# Altium PCB Main.PcbDoc (continued)
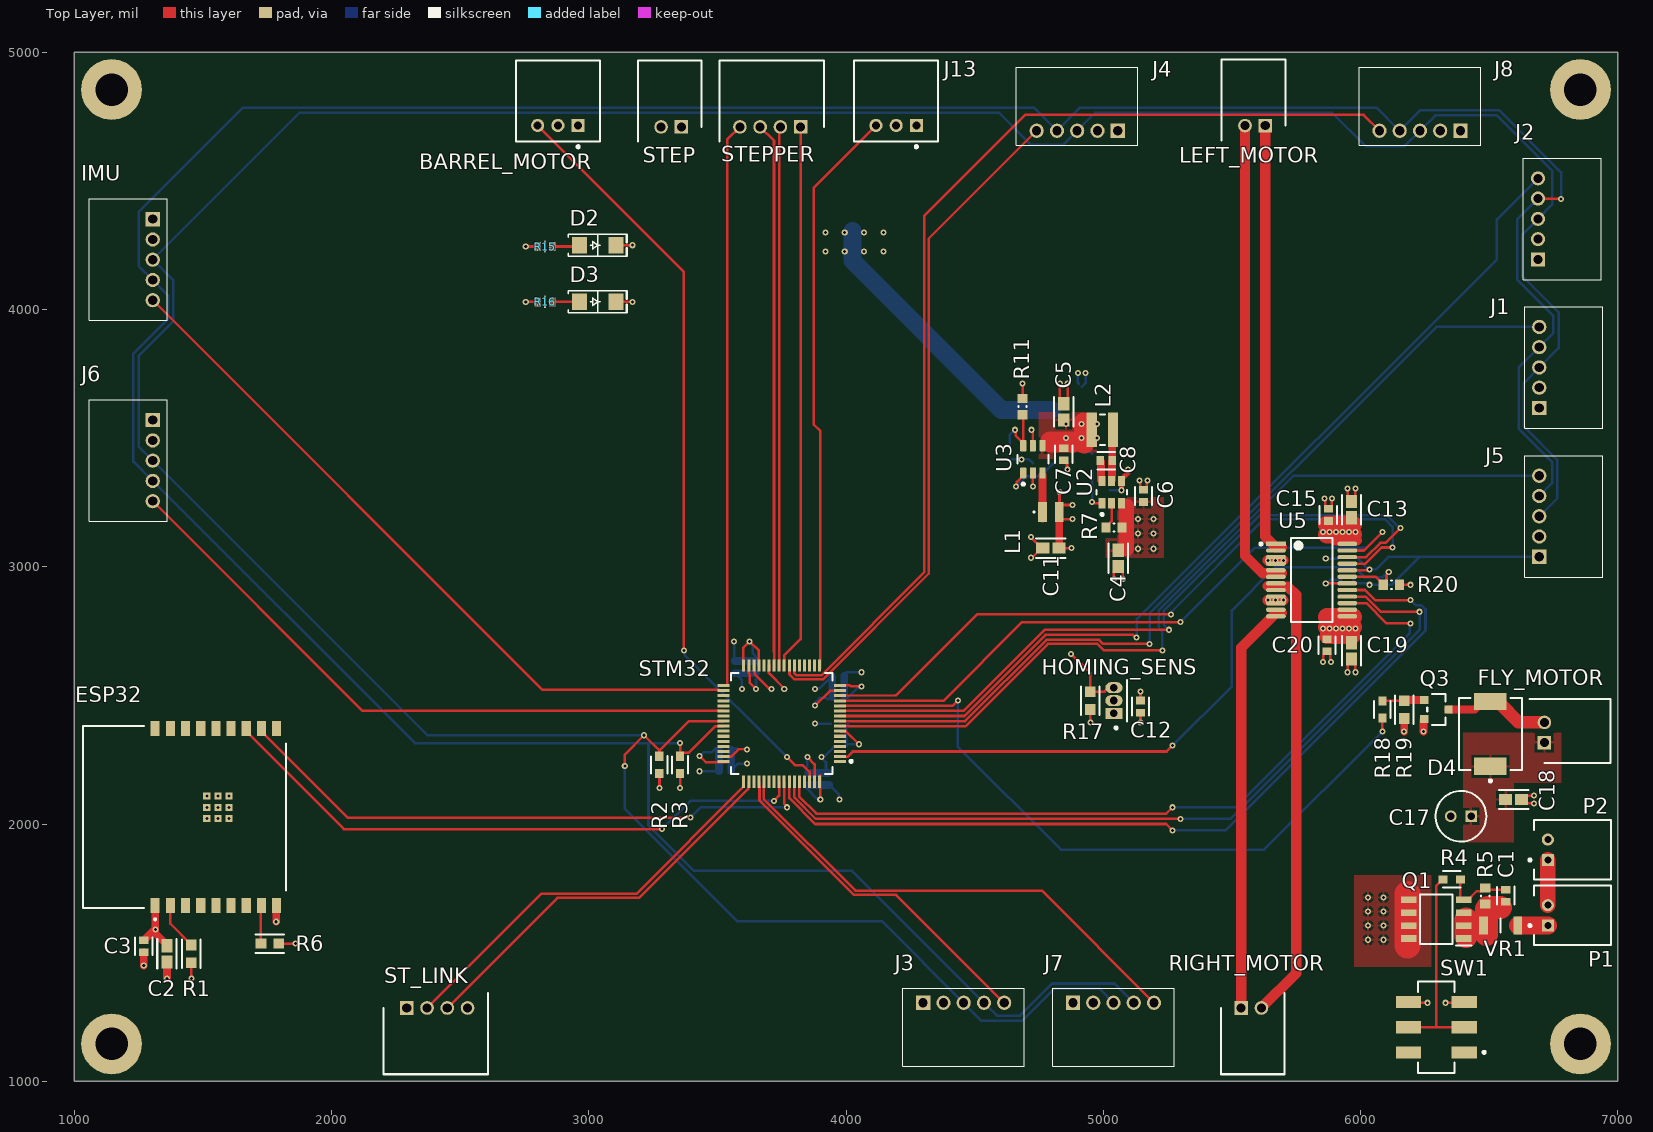
[diagram p0: Top Layer view]
## Footprints (in the part's own frame and the unit in brackets; to place one, negate y for a bottom-side part, rotate by r counter-clockwise, add the part's x,y. Pads: shape width x height; smd on the part's side, far side on the other; paste and mask are expansions set on the pad) (continued)
FP-SMC-MFG [mm]
  rect 1.72x3.2 smd paste+0 mask+0: 1(-3.205,0) 2(3.205,0)
  silkscreen extent -4.75,-3.11 3.56,3.11, body extent -4.17,-3.21 4.17,3.21, height 0.25
FP-SOT23-MFG [mm]
  rect 0.8x0.8 smd paste+0 mask+0: 1(-1.2,0.95) 2(-1.2,-0.95) 3(1.2,0)
  silkscreen extent -0.9,-1.55 0.9,1.55, body extent -1.7,-1.78 1.7,1.78, height 0.25
FP-SSOP24-P-300-0_65A-IPC_A [mm]
  rect 1.954x0.432 smd paste+0 mask+0: 1(-3.525,3.575)
  rrect100% 1.954x0.432 smd paste+0 mask+0: 2(-3.525,2.925) 3(-3.525,2.275) 4(-3.525,1.625) 5(-3.525,0.975) 6(-3.525,0.325) 7(-3.525,-0.325) 8(-3.525,-0.975) 9(-3.525,-1.625) 10(-3.525,-2.275) 11(-3.525,-2.925) 12(-3.525,-3.575) 13(3.525,-3.575) 14(3.525,-2.925) 15(3.525,-2.275) 16(3.525,-1.625) 17(3.525,-0.975) 18(3.525,-0.325) 19(3.525,0.325) 20(3.525,0.975) 21(3.525,1.625) 22(3.525,2.275) 23(3.525,2.925) 24(3.525,3.575)
  silkscreen extent -5.13,-4.15 2.05,4.15, body extent -5,-4.65 5,4.65, height 0.25
FP-TSOT26-MFG [mm]
  rect 1x0.7 smd paste+0 mask+0: 1(-1.1,0.95) 2(-1.1,0) 3(-1.1,-0.95) 4(1.1,-0.95) 5(1.1,0) 6(1.1,0.95)
  silkscreen extent -2.32,-1.5 0.22,1.5, body extent -1.7,-1.6 1.7,1.6, height 0.25
JST-S2B-PH-K-S_V [mm] "THD, 2-Leads, Body 7.6x5.9mm, Pitch 2mm"
  rect 1.2x1.2 hole 0.7: 1(-1,2.45)
  round 1.2 hole 0.7: 2(1,2.45)
  silkscreen extent -2.95,-3.8 2.95,4.35, body extent -2.95,-3.8 2.95,3.8, height 4.8
"LED 1206_3216 YELLOW" [mm] "Chip Diode, 2-Leads, Body 3.13x1.55mm, IPC Medium Density"
  rect 1.5x1.6 smd: 1(-1.8,0) 2(1.8,0)
  silkscreen extent -2.92,-1.1 2.92,1.1, body extent -1.6,-0.8 1.6,0.8, height 0.9
RESC0603(1608)_N [mm] "Chip Resistor, Body 1.6x0.8mm, IPC Medium Density"
  rect 0.9x1 smd: 1(-0.8,0) 2(0.8,0)
  silkscreen extent -0.05,-0.4 0.05,0.4, body extent -0.85,-0.47 0.85,0.47, height 0.6
SHDRRA2W50P0X200_1X2_600X770X525P [mm]
  rect 1.35x1.35 hole 0.9: 1(0,0)
  round 1.35 hole 0.9: 2(-2,0)
  silkscreen extent -4.3,-1.45 2,6.55, body extent -4.01,-1.65 1.99,6.05, height 4.83
SHDRRA4W50P15X200_1X4_1000X770X525P [mm]
  rect 1.35x1.35 hole 0.9: 1(0,0)
  round 1.35 hole 0.9: 2(-2,0) 3(-4,0) 4(-6,0)
  silkscreen extent -8,-1.45 2.3,6.55, body extent -7.97,-1.3 2.03,6.4, height 4.95
SOIC127P600X175-8N [mm]
  rect 1.525x0.65 smd: 1(-2.712,1.905) 2(-2.712,0.635) 3(-2.712,-0.635) 4(-2.712,-1.905) 5(2.712,-1.905) 6(2.712,-0.635) 7(2.712,0.635) 8(2.712,1.905)
  silkscreen extent -3.47,-2.45 1.6,2.58, body extent -3,-2.45 3,2.45, height 1.75
THRMC3216X110N [mm]
  rect 0.85x1.8 smd: 1(-1.7,0) 2(1.7,0)
  silkscreen extent 0,-0.7 0,0.7, body extent -1.63,-0.8 1.63,0.8, height 1.1
VLS2520 [mm]
  rect 0.85x2 smd: 1(-0.825,0) 2(0.825,0)
  silkscreen extent -1.72,-0.05 -1.63,0.05, body extent -1.25,-1 1.25,1, height 1
VLS3012 [mm]
  rect 1x3.4 smd: 1(-1.05,0) 2(1.05,0)
  silkscreen extent -0.25,-1.5 0.25,1.5, body extent -1.5,-1.51 1.5,1.51, height 1.2

## Part data
BARREL_MOTOR J13: library part CMP-03369-000061-1, "CONN HEADER R/A 3POS 2MM", Current Rating=3A, Manufacturer="TE Connectivity", Temperature="-25°C to +85°C", Temperature Range High=+85°C, Temperature Range Low=-25°C, Voltage Rating=250V, Automotive=No, Category=Conn, ComponentLink2Description=Datasheet, ComponentLink2URL=https://www.te.com/usa-en/product-440055-3.datasheet.pdf, Conn Gender=Male, Conn Orientation="Right Angle", Contact Material=Tin, Device Class L1=Connectors, Device Class L2="Headers and Wire Housings", Device Class L3=unset, Digikey Description="CONN HEADER R/A 3POS 2MM", Footprint Url=https://www.te.com/commerce/DocumentDelivery/DDEController?Action=showdoc&DocId=Customer+Drawing%7F440055%7FB4%7Fpdf%7FEnglish%7FENG_CD_440055_B4.pdf%7F440055-3, Height=5.25mm, Lead Free=Yes, Manufacturer Part Number=440055-3, Mouser Description="Headers & Wire Housings 3 POS HDR R/A 2.0mm", Number Of Contacts=3, Number Of Rows=1, Octopart=https://octopart.com/440055-3-te+connectivity-40644627, Package=440055-3, Pitch=2mm, RoHS=TRUE
C1 C3 C6 C7 C8 C9 C12 C14 C15 C20 C21 C22 C23 C26: library part CMP-2006-03630-2, Capacitance="100 pF", Manufacturer=KEMET, Manufacturer Part Number=C0603C101F1GACTU, Package=C0603C-CF, Temperature="-55°C to +125°C", Temperature Characteristic=C0G, Temperature Coefficient=30ppm/°C, Temperature Range High=+125°C, Temperature Range Low=-55°C, Tolerance=0.01, Voltage Rating="100 V", Automotive=Yes, Automotive Grade="Grade 1", Category=Cap, ComponentLink2Description=Datasheet, ComponentLink2URL=https://api.kemet.com/component-edge/download/datasheet/C0603C100J5GACAUTO.pdf, Device Class L1="Passive Components", Device Class L2=Capacitors, Device Class L3="Ceramic Capacitors", Digikey Description="CAP CER 100PF 100V 1% NP0 0603", Height=0.87mm, Lead Free=Yes, Material=Ceramic, Mouser Description="Multilayer Ceramic Capacitors MLCC - SMD/SMT 100volts 100pF C0G 1%", Octopart=https://octopart.com/c0603c101f1gactu-kemet-9143865, RoHS=TRUE
C2 C4 C5 C13 C16 C18 C19 C24 C25 C27 C28: library part CMP-2006-02814-2, "Chip Multilayer Ceramic Capacitors for General Purpose, 0603, 10uF, X5R, 15%, 20%, 16V", Case Code (Imperial)=0603, Case Code (Metric)=1608, Dielectric=X5R, Max Operating Temperature=85°C, Min Operating Temperature=-55°C, Package Quantity=4000, Tolerance=20%, Voltage=16V, Capacitance=10uF, Case/Package=0603, Depth=0.8mm, Height=0.8mm, Lead Free="Lead Free", Length=1.6mm, Mount="Surface Mount", Packaging="Tape and Reel", REACH SVHC="No SVHC", Thickness=0.031inch, Voltage Rating=16V, Voltage Rating (DC)=16V, Width=0.031inch
C10 C11: library part CMP-06035-063651-1, "Multilayer Ceramic Capacitor 22uF 20% 16V X5R 0603 Paper T/R"
C17: library part EEU-FR1C101, "Capacitor Polarised", Manufacturer_Name=Panasonic, Mouser Part Number=667-EEU-FR1C101, Arrow Part Number=EEU-FR1C101, Arrow Price/Stock=https://www.arrow.com/en/products/eeu-fr1c101/panasonic?region=europe, Datasheet Link=http://industrial.panasonic.com/cdbs/www-data/pdf/RDF0000/ABA0000C1259.pdf, Height=12.5mm, Manufacturer_Part_Number=EEU-FR1C101, Mouser Price/Stock=https://www.mouser.co.uk/ProductDetail/Panasonic/EEU-FR1C101?qs=ob%252BdNz2%252BYEhUA1aQKNasqg%3D%3D
D2 D3: library part 25-21UYC/S530-A2/TR8, "LED YELLOW CLEAR 2SMD", Current - Test=20mA, Device Package="1206 (3216 Metric)", Lens Color=Colorless, Manufacturer="Everlight Electronics Co Ltd", Millicandela Rating=45mcd, Supplier Device Package=2-SMD, Supplier Part Number 1=1080-1595-1-ND, Voltage - Forward (Vf) (Typ)=2V, Color=Yellow, ComponentLink1Description=Datasheet, ComponentLink1URL=//media.digikey.com/pdf/Data%20Sheets/Everlight%20PDFs/25-21UYC-S530-A2-TR8_V6_11-12-18.pdf, ComponentLink2Description="DigiKey Link", ComponentLink2URL=https://www.digikey.com/en/products/detail/everlight-electronics-co-ltd/25-21UYC-S530-A2-TR8/8535289, Configuration=Standard, Height (Max)=1.20mm, LastUpdated="6/3/2024 8:01:38 PM", Lens Size="1.10mm Dia", Lens Style="Round with Domed Top", Lens Transparency=Clear, Lifecycle Status=Active, Minimum Order=1, Mounting Type="Surface Mount", Package / Case="1206 (3216 Metric)", Packaging=TapeAndReel, Part Number=25-21UYC/S530-A2/TR8, Part Status=Active, PartId=2, Price=0.08, Series=-, Size / Dimension="3.20mm L x 1.60mm W", Supplier 1=DigiKey, Viewing Angle=60°, Wavelength - Dominant=589nm, Wavelength - Peak=591nm
D4: library part CMP-02539-000066-1, "DIODE SCHOTTKY 40V 3A DO214AB", Average Rectified Current=3A, Case/Package=SMC, Forward Voltage=500mV, Max Operating Temperature=125°C, Max Repetitive Reverse Voltage (Vrrm)=40V, Max Reverse Current=500uA, Max Surge Current=100A, Min Operating Temperature=-55°C, Package Quantity=3500, Element Configuration=Single, Forward Current=3A, Max Reverse Leakage Current=500uA, Max Reverse Voltage (DC)=40V, Mount="Surface Mount", Number of Pins=2, Packaging="Tape and Reel", Peak Non-Repetitive Surge Current=100A, Radiation Hardening=No, RoHS Compliant=Yes, Series=-
ESP32: "Integrated Circuit", Manufacturer_Name="Espressif Systems", Mouser Part Number=356-ESP32C3WROOM02N4, Datasheet Link=https://www.mouser.ch/datasheet/2/891/Espressif_ESP32_C3_WROOM_02-2006871.pdf, Height=3.35mm, Manufacturer_Part_Number=ESP32-C3-WROOM-02-N4, Mouser Price/Stock=https://www.mouser.co.uk/ProductDetail/Espressif-Systems/ESP32-C3-WROOM-02-N4?qs=stqOd1AaK7%2FqjTZKEOgfUg%3D%3D
FLY_MOTOR LEFT_MOTOR RIGHT_MOTOR STEP: "Connector", Manufacturer_Name="TE Connectivity", Mouser Part Number=571-440055-2, Arrow Part Number=440055-2, Arrow Price/Stock=https://www.arrow.com/en/products/440055-2/te-connectivity?utm_currency=USD&region=nac, Datasheet Link=https://www.te.com/commerce/DocumentDelivery/DDEController?Action=srchrtrv&DocNm=1-1773713-2_HPI_QRG_EN&DocType=Data%20Sheet&DocLang=English&PartCntxt=440055-2&DocFormat=pdf, Height=5.25mm, Manufacturer_Part_Number=440055-2, Mouser Price/Stock=https://www.mouser.co.uk/ProductDetail/TE-Connectivity/440055-2?qs=DE9Qji9blsSmCkgS7fKI6w%3D%3D
HOMING_SENS: library part CMP-04937-000007-1, "LP HALL 32 LPG"
IMU J1 J2 J3 J4 J5 J6 J7 J8: "Connector", Manufacturer_Name="TE Connectivity", Mouser Part Number=571-440055-5, Arrow Part Number=440055-5, Arrow Price/Stock=https://www.arrow.com/en/products/440055-5/te-connectivity?region=nac, Datasheet Link=https://www.te.com/commerce/DocumentDelivery/DDEController?Action=srchrtrv&DocNm=1-1773713-2_HPI_QRG_EN&DocType=Data%20Sheet&DocLang=English&PartCntxt=440055-5&DocFormat=pdf, Height=5.25mm, Manufacturer_Part_Number=440055-5, Mouser Price/Stock=https://www.mouser.co.uk/ProductDetail/TE-Connectivity/440055-5?qs=DE9Qji9blsSCZ1TIZpnBjw%3D%3D
L1: library part VLS252010HBX-2R2M-1, "Inductor", Manufacturer_Name=TDK, Mouser Part Number=810-VLS25201HBX2R2M1, Arrow Part Number=VLS252010HBX-2R2M-1, Arrow Price/Stock=https://www.arrow.com/en/products/vls252010hbx-2r2m-1/tdk?region=europe, Datasheet Link=https://product.tdk.com/system/files/dam/doc/product/inductor/inductor/smd/catalog/inductor_commercial_power_vls252010hbx-1_en.pdf, Manufacturer_Part_Number=VLS252010HBX-2R2M-1, Mouser Price/Stock=https://www.mouser.co.uk/ProductDetail/TDK/VLS252010HBX-2R2M-1?qs=uwKJARvjadMU3dC%2Ft0aiHA%3D%3D
L2: library part VLS3012CX-100M-1, "Inductor", Manufacturer_Name=TDK, Mouser Part Number=810-VLS3012CX-100M-1, Arrow Part Number=VLS3012CX-100M-1, Arrow Price/Stock=https://www.arrow.com/en/products/vls3012cx-100m-1/tdk?utm_currency=USD&region=europe, Datasheet Link=https://product.tdk.com/system/files/dam/doc/product/inductor/inductor/smd/catalog/inductor_commercial_power_vls3012cx-1_en.pdf, Manufacturer_Part_Number=VLS3012CX-100M-1, Mouser Price/Stock=https://www.mouser.co.uk/ProductDetail/TDK/VLS3012CX-100M-1?qs=1mbolxNpo8ceNo1aeERl9w%3D%3D
P1 P2: library part CMP-1755-00004-1, "Male Header, Pitch 2 mm, 1 x 2 Position, Height 4.8 mm, Tail Length 3.4 mm, -25 to 85 degC, RoHS, Bulk", Capacitance="10 uF", Case\Package=Radial, Max Operating Temperature="85 degC", Min Operating Temperature="-40 degC", Package Quantity=200, Tolerance=20%, Voltage Rating="50 V", ComponentLink1Description=Datasheet, ComponentLink1URL=http://www.jst-mfg.com/product/pdf/eng/ePH.pdf, DatasheetVersion=Dec-12, Diameter="5 mm", Height="11 mm", Lead Pitch="2 mm", Length="11 mm", Mount="Through Hole", PackageDescription="Male Header, Pitch 2 mm, 1 x 2 Position, Height 4.8 mm, Tail Length 3.4 mm", PackageReference=S2B-PH-K-S, Packaging=Bulk, Pins=2, Radiation Hardening=No, REACH SVHC="No SVHC", RoHSCompliant=true, Voltage Rating (DC)="50 V"
Q1: "MOSFET (P-Channel)", Manufacturer_Name="ROHM Semiconductor", Mouser Part Number=N/A, Datasheet Link=https://fscdn.rohm.com/en/products/databook/datasheet/discrete/transistor/mosfet/rs3e075attb1-e.pdf, Height=1.75mm, Manufacturer_Part_Number=RS3E075AT, Mouser Price/Stock=https://www.mouser.co.uk/ProductDetail/ROHM-Semiconductor/RS3E075AT?qs=W0yvOO0ixfG3uBr1%252BCakYg%3D%3D
Q3: library part CMP-83955-000006-1, "MOSFET N-CH 30V 5.7A SOT23", Case/Package=SOT-23, Continuous Drain Current (ID)=5.7A, Drain to Source Voltage (Vdss)=30V, Gate to Source Voltage (Vgs)=12V, Input Capacitance=630pF, Max Operating Temperature=150°C, Max Power Dissipation=1.4W, Min Operating Temperature=-55°C, Lead Free="Lead Free", Mount="Surface Mount", Number of Elements=1, Number of Pins=3, Packaging="Tape and Reel", Power Dissipation=1.4W, Radiation Hardening=No, Rds On Max=26.5mR
R1 R6 R9 R14 R17 R19: library part CMP-03412-040683-1, "RES 10kΩ 5.00% 0.2W 0603"
R2 R3: library part CMP-03412-006219-1, "RT0603 2.2KΩ 0.1W 25 ppm/°C 0.50%", Manufacturer=Yageo, Manufacturer Part Number=RT0603DRD132K2L, Package=RT0603, Power Rating=0.1W, Resistance=2.2KΩ, Temperature="-55°C to +155°C", Temperature Coefficient="25 ppm/°C", Temperature Range High=+155°C, Temperature Range Low=-55°C, Tolerance=0.005, Voltage Rating=75V, Automotive=No, Category=Res, ComponentLink2Description=Datasheet, ComponentLink2URL=http://www.yageo.com/documents/recent/PYu-RT_1-to-0.01_RoHS_L_9.pdf, Composition="Thin Film", Device Class L1="Passive Components", Device Class L2=Resistors, Device Class L3="Chip SMD Resistors", Footprint Url=http://www.yageo.com/exep/pages/download/literatures/PYu-R_Mount_10.pdf, Height=0.55mm, Ipc Land Pattern Name=RESC16080X45, Lead Free=Yes, Octopart=https://octopart.com/rt0603drd132k2l-yageo-91016345, RoHS=TRUE, Series=RT
R4 R18: library part CMP-03412-013198-1, "RT0603 100Ω 0.1W 50 ppm/°C 1.00%", Manufacturer=Yageo, Manufacturer Part Number=RT0603FRE13100RL, Package=RT0603, Power Rating=0.1W, Resistance=100Ω, Temperature="-55°C to +155°C", Temperature Coefficient="50 ppm/°C", Temperature Range High=+155°C, Temperature Range Low=-55°C, Tolerance=0.01, Voltage Rating=75V, Automotive=No, Category=Res, ComponentLink2Description=Datasheet, ComponentLink2URL=http://www.yageo.com/documents/recent/PYu-RT_1-to-0.01_RoHS_L_9.pdf, Composition="Thin Film", Device Class L1="Passive Components", Device Class L2=Resistors, Device Class L3="Chip SMD Resistors", Footprint Url=http://www.yageo.com/exep/pages/download/literatures/PYu-R_Mount_10.pdf, Height=0.55mm, Ipc Land Pattern Name=RESC16080X45, Lead Free=Yes, Mouser Description="Thin Film Resistors - SMD 1/10W 100 ohm 1% 50ppm", Octopart=https://octopart.com/rt0603fre13100rl-yageo-30512362, RoHS=TRUE, Series=RT
R5 R7 R8 R11 R12 R20: library part CMP-1012-00736-1, "100K 0.1W 1% 0603 (1608 Metric)  SMD", Case-EIA=0603, Case-Metric=1608, Power="0.1 W", Tolerance="1 %", Technology=SMT
R10: library part CMP-03412-034985-2, "RES 19.1KΩ 1.00% 0.1W 0603", Case Code (Imperial)=0603, Case Code (Metric)=1608, Max Operating Temperature=155°C, Max Power Dissipation=100mW, Min Operating Temperature=-55°C, Resistance=19.1kR, Resistor Type="Thick Film", Temperature Coefficient=100ppm/°C, Tolerance=1%, Voltage Rating=50V, Case/Package=0603, Features="Moisture Resistant", Height=0.022inch, Length=0.063inch, Number of Terminations=2, Packaging="Tape and Reel", Power Rating=100mW, Series=AC, Termination=SMD/SMT, Width=0.8mm
R13: library part CMP-02407-003985-1, "RES SMD 100 OHM 1% 1/8W 0603", Case/Package=0603, Max Operating Temperature=125°C, Min Operating Temperature=-55°C, Resistance=453kR, Tolerance=1%, Composition="Thin Film", Depth=0.85mm, Lead Free="Lead Free", Length=1.55mm, Military Standard=Not, Packaging="Tape and Reel"
R15 R16: library part CMP-00287-55412082-1, "ERA3ARW102V Res Thin Film 0603 1K Ohm 0.05% 0.1W ±10ppm/°C Molded SMD Punched Carrier T/R", Case Code (Imperial)=0603, Case Code (Metric)=1608, Max Operating Temperature=155°C, Max Power Dissipation=100mW, Min Operating Temperature=-55°C, Resistance=1kΩ, Temperature Coefficient=10ppm/°C, Tolerance=0.05%, Voltage Rating=150V, Voltage Rating (DC)=75V, Case/Package=0603, Composition="Metal Film, Thin Film", Contact Plating=Tin, Depth=800µm, Height=450µm, Lead Free="Lead Free", Length=1.6mm, Lifecycle Status=Production, Military Standard=Not, Mount="Surface Mount", NexarPartId=55412082, Number of Pins=2, Number of Terminations=2, Packaging="Cut Tape", Power Rating=100mW, Radiation Hardening=No, REACH SVHC="No SVHC", RoHS=Compliant, Schedule B="8533210045, 8533210045", Width=787.4µm
ST_LINK STEPPER: "Connector", Manufacturer_Name="TE Connectivity", Mouser Part Number=571-440055-4, Arrow Part Number=440055-4, Arrow Price/Stock=https://www.arrow.com/en/products/440055-4/te-connectivity?utm_currency=USD&region=nac, Datasheet Link=https://www.te.com/commerce/DocumentDelivery/DDEController?Action=srchrtrv&DocNm=1-1773713-2_HPI_QRG_EN&DocType=Data%20Sheet&DocLang=English&PartCntxt=440055-4&DocFormat=pdf, Height=5.25mm, Manufacturer_Part_Number=440055-4, Mouser Price/Stock=https://www.mouser.co.uk/ProductDetail/TE-Connectivity/440055-4?qs=DE9Qji9blsTeqx7CwQ1BPA%3D%3D
STM32: library part CMP-12105-000051-1, "MAINSTREAM ARM CORTEX-M4 CORE WI", Ambient Temperature Range High=+85°C, Ambient Temperature Range Low=-40°C, Frequency=170MHz, Manufacturer=STMicroelectronics, Max Junction Temp=+105°C, Max Supply Voltage=3.6V, Min Supply Voltage=1.71V, Package=LQFP64-5W, Temperature="-40°C to +105°C", Automotive=No, Category=IC, ComponentLink2Description=Datasheet, ComponentLink2URL=https://www.st.com/resource/en/datasheet/stm32g474cb.pdf, Core Architecture="ARM Cortex-M4", Data Bus Width=32bits, Device Class L1="Integrated Circuits (ICs)", Device Class L2="Embedded Processors and Controllers", Device Class L3=Microcontrollers, Digikey Description="MAINSTREAM ARM CORTEX-M4 CORE WI", Height=1.6mm, Interface=I2C,SPI,UART,USART,CAN,USB,LIN,IrDA,I2S,SMBus,Other, Lead Free=Yes, Manufacturer Part Number=STM32G474RET6, Memory Size=512KBytes, Memory Type=FLASH, Mouser Description="Microcontroller 32-Bit ARM Cortex-M4 RISC 512KB Flash 1.71V to 3.6V 64-Pin LQFP", Number Of A/D Converters=5, Number Of Adc Channels=26, Number Of Cores=1, Number Of I2C Channels=4, Number Of I/Os=52, Number Of Pwm Channels=32, Number Of Spi Channels=3, Number Of Timers/Counters=14, Number Of Uart Channels=6, Number Of Usb Channels=1, Octopart=https://octopart.com/stm32g474ret6-stmicroelectronics-102308483, Ram Size=128KBytes, RoHS=TRUE, Standoff Height=0.05mm, Temperature Range High=+105°C, Temperature Range Low=-40°C
SW1: library part CMP-2000-05087-3, "SWITCH SLIDE DPDT 300MA 6V", Actuator Color=Black, Contact Current Rating=300mA, Contact Resistance=70mR, Flammability Rating="UL94 V-2", Max Operating Temperature=85°C, Max Voltage Rating (DC)=6V, Min Operating Temperature=-20°C, Package Quantity=1, Actuator Length=2mm, Actuator Material=Nylon, Actuator Type=Standard, Contact Material="Copper Alloy", Contact Plating=Silver, Current Rating=300mA, Depth=7.5mm, Electrical Life=5000Cycles, Housing Material=Nylon, Lead Free="Lead Free", Length=9mm, Max Current Rating=300mA, Mount="Surface Mount", Orientation=Vertical, Packaging="Tape and Reel", Radiation Hardening=No, REACH SVHC="No SVHC", Series=JS, Switch Function=On-On, Switch Travel=2mm, Termination="Gull Wing", Throw Configuration=DPDT, Voltage Rating (DC)=6V
U2: library part CMP-12757-000010-1, "IC REG BUCK ADJUSTABLE 2A TSOT26", Ambient Temperature Range High=+85°C, Ambient Temperature Range Low=-40°C, Manufacturer="Diodes Inc.", Max Junction Temp=+160°C, Max Supply Voltage=32V, Min Supply Voltage=3.8V, Nominal Supply Current=22uA, Output Current=2A, Package=TSOT26, Switching Frequency=500kHz, Temperature="-40°C to +85°C", Automotive=No, Category=IC, ComponentLink2Description=Datasheet, ComponentLink2URL=https://www.diodes.com/assets/Datasheets/AP63200-AP63201-AP63203-AP63205.pdf, Device Class L1="Integrated Circuits (ICs)", Device Class L2="Power Management ICs", Device Class L3="Voltage Regulators - Switching", Digikey Description="IC REG BUCK ADJUSTABLE 2A TSOT26", Footprint Url=https://www.diodes.com/assets/Package-Files/TSOT26.pdf, Height=1mm, Ipc Land Pattern Name=SOT95P280X100-6, Lead Free=Yes, Manufacturer Part Number=AP63200WU-7, Mouser Description="AP63200 Series 1.2 V 2 A Adjustable Synchronous Buck Converter - TSOT-26", Number Of Outputs=1, Octopart=https://octopart.com/ap63200wu-7-diodes+inc.-98099548, Output Type=AdjustableProgrammable, RoHS=TRUE, Standoff Height=0.01mm, Switching Topology=Buck, Temperature Range High=+85°C, Temperature Range Low=-40°C
U3: library part CMP-04918-000671-1, "IC REG BUCK ADJ 1A TSOT23-6", Case/Package=SOT-23-6, Max Input Voltage=5.5V, Max Operating Temperature=125°C, Min Input Voltage=2.5V, Min Operating Temperature=-40°C, Min Output Voltage=600mV, Output Current=1A, Switching Frequency=1.5MHz, Max Output Voltage=5.5V, Mount="Surface Mount", Number Of Outputs=1, Output Configuration=Positive, Output Type=Adjustable, Packaging="Cut Tape", RoHS Compliant=Yes, Synchronous Rectifier=Yes
U5: library part CMP-2100-03693-4, "IC MOTOR DRIVER 2.7V-5.5V 24SSOP", Case/Package=SSOP, Max Operating Temperature=85°C, Max Supply Voltage=5.5V, Min Operating Temperature=-20°C, Min Supply Voltage=2.7V, Operating Supply Voltage=3V, Output Current=1A, Package Quantity=1, Interface=Parallel, Logic Function="AND GATE", Mount="Surface Mount", Number Of Outputs=2, Number of Pins=24, Packaging="Tape and Reel", Series=-
VR1: library part P-TCO-N450_12-2, "Variable Resistor", Manufacturer_Name=Bourns, Manufacturer_Part_Number=P-TCO-N450/12-2, Mouser Part Number=652-P-TCO-N450/12-2, Datasheet Link=https://componentsearchengine.com/Datasheets/1/P-TCO-N450_12-2.pdf, Height=1.1mm, Mouser Price/Stock=https://www.mouser.co.uk/ProductDetail/Bourns/P-TCO-N450-12-2?qs=gZXFycFWdAMSEVwBHLsViA%3D%3D

## Free pads (board coordinates)
  round 236.22 hole 125.98 unplated: MH1(1145,4855) MH2(6855,4855) MH3(1145,1145) MH4(6855,1145)

## Via types
v1: diameter 23.62, hole 11.81, Top Layer to Bottom Layer, 163 vias

## Nets (pads, with @x,y where several pads share a name; then routed paths per layer and width w, separated by ;. In a path a pad name is that pad's centre, name@x,y a point inside that pad or via, vN(x,y) a via of type N, cw(c..) or ccw(c..) an arc to the next point about the centre after c; other vN are vias at no path point)
+3.3V: C2.1 C3.1 C11.1 C12.1 C14.1 C16.1 C21.1 C22.1 C23.1 C24.1 C25.1 C26.1 C27.1 C28.1 ESP32.1 HOMING_SENS.1 IMU.1 J1.1 J2.1 J3.1 J4.1 J5.1 J6.1 J7.1 J8.1 L1.2 R1.2 R2.2 R3.2 R6.2 R9.2 R13.1 R14.2 R16.1 R17.1 ST_LINK.1 STM32.16 STM32.29 STM32.32 STM32.48 STM32.64 U5.20 | length 3740.1
  Top Layer w10: ESP32.1 1314.21,1675.79 ESP32.1@1315,1675 ; C2.1@1350,1540.43 1350,1540 1360,1530 C2.1 ; v1(1455,1400) R1.2 ; R6.2 v1(1860,1535) ; v1(2755,4030) R16.1 ; R2.2 3275,2195.37 v1(3275,2140) ; v1(3355,2140) R3.2 ; v1(3430,2265) 3455,2240 STM32.48@3540,2240 ; STM32.32@3600,2595 3600,2685 3620.55,2705.55 v1@3620.55,2709.45 ; v1(3625,2710) 3661.42,2673.58 STM32.29 ; v1(3900,2095) 3900,2190 ; STM32.16@3976.38,2540 4013.85,2540 4018.85,2535 v1(4060,2535) ; C11.1@4828.99,3073.46 C11.1 v1(4876.51,3072.5) ; L1.2@4828.99,3194.23 4838.22,3185 v1(4880,3185) ; L1.2 4828.99,3227.26 4830,3228.27 v1(4830,3290) ; L1.2@4828.99,3228.27 4840.72,3240 v1(4880,3240) ; v1(4950,2395) R17.1 ; v1(5145,2395) C12.1 ; U5.20@5949.16,2986.58 6027.9,2986.58 6031.31,2990 v1(6035,2990)
  Top Layer w30: C3.1@1272.72,1548.86 1313.86,1590 v1(1315,1590) ; ESP32.1@1315,1675 v1(1315,1590) ; C2.1@1350,1540.43 1315,1575.43 v1(1315,1590) ; C11.1@4828.99,3073.46 L1.2@4828.99,3182.5
  Bottom Layer w10: v1(3430,2205) C22.1 ; v1(3430,2265) 3433.69,2265 3446.91,2278.22 3477.79,2278.22 C25.1@3494.57,2295 ; C23.1 v1(3565,2710) ; v1(3625,2710) 3625,2706.31 3638.22,2693.09 3638.22,2662.21 3655,2645.43 C27.1@3643.19,2633.62 ; C24.1@3846.01,2139.57 3887.97,2097.61 3897.39,2097.61 v1(3900,2095) ; v1(3880,2390) R14.2 ; C21.1@3935,2151.38 C21.1 3937.95,2150 3972.39,2115.56 3972.39,2097.61 v1(3975,2095) ; C26.1@3993.62,2575 3993.62,2580.24 4003.39,2590 v1(4060,2590) ; C28.1@4005.43,2490 4047.83,2532.39 4057.39,2532.39 v1(4060,2535) ; R13.1 4645.23,3417.5 4711.99,3417.5 R9.2 ; C14.1 5972.41,2945.94 5982.18,2936.18 6025.14,2936.18 6031.31,2930 v1(6035,2930) 6120,2930 6228.78,3038.78 ; C16.1 5984.22,3037.77 6031.99,2990 6060,2990 6108.78,3038.78 6228.78,3038.78 ; J5.1 6228.78,3038.78
  Bottom Layer w30: C22.1 C25.1@3506.38,2288.22 ; C23.1@3567.72,2633.62 C27.1@3643.19,2633.62 ; C24.1@3852.79,2151.38 C21.1@3935,2151.38 ; C28.1@3993.62,2496.78 C26.1@3993.62,2575
  other v1: 4681.51,3417.5
+5V: BARREL_MOTOR.2 C5.1 C7.1 C10.1 J13.2 L2.2 R8.2 R12.2 R15.1 STEP.1 U3.4 | length 1370.6
  Top Layer w10: v1(2755,4245) R15.1 ; v1@4925,3560 4925,3570
  Top Layer w80: 4795,3485 4880,3485 ; v1@4925,3560 4925.49,3559.51 4925.49,3532.5 4925.49,3480
  Bottom Layer w10: R12.2@4941.51,3447.5 4948.01,3447.5 R12.2
  Bottom Layer w70: 4025,4305 4025,4189.66 4604.66,3610 4800,3610
  other v1: 4855,3500 4915,3500 4975,3500 4855,3555 4915,3555 4975,3555 3920,4225 3995,4225 4070,4225 4145,4225 3920,4300 3995,4300 4070,4300 4145,4300
+BATT: C4.1 C6.1 C13.1 C15.1 C17.1 C18.1 C19.1 C20.1 D4.1 FLY_MOTOR.1 Q1.5 Q1.6 Q1.7 Q1.8 R7.2 U2.3 U5.13 U5.14 U5.24 | length 802.4
  Top Layer w10: C13.1@5952.18,3177.78 C13.1 ; 6180,1525 6182.51,1527.51
  Top Layer w40: 5905.5,3102.29 5985.96,3102.29
  Top Layer w60: C20.1@5870,2730 C19.1@5970,2730
  Top Layer w70: v1@5870,2765 v1@5970,2765 ; 5870,2805 U5.13@5970,2805 ; 5870,3125 5970,3125 ; C15.1@5870,3165 C13.1@5970,3165
  Top Layer w100: 6182.51,1527.51 6182.51,1727.79
  other v1: 6030,1550 6090,1550 6030,1605 6090,1605 6030,1660 6090,1660 6030,1715 6090,1715 5855,2760 5880,2760 5905,2760 5930,2760 5955,2760 5980,2760 5135,3070 5195,3070 5135,3130 5195,3130 5855,3135 5880,3135 5905,3135 5930,3135 5955,3135 5980,3135 5135,3185 5195,3185
BARREL_PWM: BARREL_MOTOR.3 STM32.62 | length 2857.5
  Top Layer w10: BARREL_MOTOR.3 3370,4146.77 v1(3370,2675) ; STM32.62@3859.49,2179.49 STM32.62@3860,2180
  Bottom Layer w10: v1(3370,2675) 3372.61,2672.39 3372.61,2657.39 v1(3770,2260)
ESP_BOOT: ESP32.8 R6.1 | length 148.9
  Top Layer w10: R6.1 1725,1535.48 1725,1680.05 ESP32.8
ESP_EN: ESP32.2 R1.1 | length 187
  Top Layer w10: ESP32.2 1373.27,1612.16 1455,1530.43 R1.1
ESP_TO_STM: ESP32.12 STM32.56 | length 2348.5
  Top Layer w10: ESP32.12 1668.54,2359.81 2048.36,1980 v1(3285,1980) ; v1(3720,2090) 3740,2110 3740,2145.4 3740.16,2145.56 STM32.56
  Bottom Layer w10: v1(3285,1980) 3395,2090 v1(3720,2090)
GND: BARREL_MOTOR.1 C2.2 C3.2 C4.2 C5.2 C6.2 C7.2 C9.2 C10.2 C11.2 C12.2 C13.2 C14.2 C15.2 C16.2 C17.2 C18.2 C19.2 C20.2 C21.2 C22.2 C23.2 C24.2 C25.2 C26.2 C27.2 C28.2 D2.2 D3.2 ESP32.9 ESP32.19 ESP32.20 ESP32.21 ESP32.22 ESP32.23 ESP32.24 ESP32.25 ESP32.26 ESP32.27 HOMING_SENS.2 IMU.2 J1.2 J2.2 J3.2 J4.2 J5.2 J6.2 J7.2 J8.2 J13.1 P2.2 Q3.2 R10.1 R11.1 R19.2 R20.1 ST_LINK.4 STEP.2 STM32.15 STM32.27 STM32.31 STM32.47 STM32.63 SW1.3 SW1.6 U2.4 U3.2 U5.3 U5.4 U5.9 U5.10 U5.18 | length 3778.3
  Top Layer w10: ESP32.9@1785,1680.99 ESP32.9 ; D3.2 v1(3170,4030) ; D2.2 v1(3170,4250) ; STM32.47 3554.68,2262.45 3582.23,2290 v1(3615,2290) ; STM32.31@3622.45,2616.38 3622.45,2599.38 3621.23,2598.16 3621.23,2586.54 3625,2582.77 3625,2550 v1(3650,2525) ; STM32.27 3700.79,2598.95 3700,2598.16 3700,2586.51 3760,2526.51 v1(3760,2525) ; v1(3850,2260) 3877.95,2232.05 STM32.63 ; v1(3880,2460) 3937.55,2517.55 STM32.15@3976.38,2517.55 ; R11.1 v1(4686.51,3712.5) ; v1(4720,3035) 4723.58,3035 C11.2@4761.08,3072.5 ; v1(4720,3115) 4720,3113.58 C11.2@4761.08,3072.5 ; v1(4726.51,3312.5) U3.2 ; C11.2 C11.2@4761.08,3072.5 ; v1(4831.51,3712.5) 4831.51,3649.02 C5.2 4861.51,3649.02 v1(4861.51,3712.5) ; C7.2 4849.46,3413.88 4859.23,3404.11 4859.23,3379.78 v1(4861.51,3377.5) ; v1(5041.51,2952.5) 5041.61,2952.6 5041.61,2980.29 5048.82,2987.5 5067.95,2987.5 5075.16,2980.29 5075.16,2953.85 v1(5076.51,2952.5) ; v1@5070.95,3298.06 v1(5071.51,3297.5) ; v1(5141.51,3335.29) 5143.79,3333.01 5143.79,3308.68 C6.2@5153.56,3298.91 ; C12.2 v1(5145,2515) ; C6.2 5159.46,3298.91 5169.23,3308.68 5169.23,3333.01 v1(5171.51,3335.29) ; U5.3@5670,3039.85 5671.21,3038.64 U5.3 ; U5.4 U5.4@5672.3,3011.09 ; v1(5855,2630) 5855,2655.76 5857.28,2658.04 5857.28,2661.61 5867.05,2671.38 C20.2 ; v1(5860,3265) 5862.28,3262.72 5862.28,3234.78 5872.05,3225.02 5877.95,3225.02 5887.72,3234.78 5887.72,3262.72 v1(5890,3265) ; v1(5865,2935) 5865.2,2935.2 5948.59,2935.2 U5.18 ; C20.2@5879.33,2665 5882.72,2661.61 5882.72,2632.28 v1(5885,2630) ; v1(5950,2590) 5950,2626.37 C19.2 ; C13.2@5950,3260 v1(5950,3305) ; C13.2 5980,3268.63 v1(5980,3305) ; v1(5980,2590) C19.2@5980,2640 ; R20.1 v1(6195,2930) ; R19.2@6170,2410.43 R19.2 ; SW1.6 6190.16,1305 v1(6260,1305) ; Q3.2@6245,2404.84 Q3.2 ; v1(6330,1305) 6399.84,1305 SW1.3 ; C18.2 6641.52,2080 v1(6675,2080) ; C18.2@6630,2110 v1(6675,2110)
  Top Layer w20: v1@5070.95,3298.06 5070.91,3298.1 5070.91,3340.22 5095.82,3365.12 5095.82,3376.81 v1(5096.51,3377.5)
  Top Layer w30: v1(1270,1450) C3.2 ; v1(1360,1400) C2.2 ; v1(1785,1620) ESP32.9@1785,1680.99 ; v1(6170,2360) R19.2@6170,2410.43 ; v1(6245,2360) Q3.2@6245,2404.84
  Top Layer w40: v1(5640,2870) v1(5700,2870) ; v1(5640,3025) v1(5700,3025)
  Bottom Layer w10: C22.2@3553.62,2207.95 3580.67,2235 v1(3615,2235) ; C25.2@3553.62,2287.1 C25.2 ; C23.2@3567.95,2586.38 3595,2559.33 v1(3595,2525) ; C25.2@3571.52,2295 3576.52,2290 v1(3615,2290) ; v1(3650,2525) 3650,2563.48 C27.2@3655,2568.48 ; C24.2@3845,2216.52 3850,2221.52 v1(3850,2260) ; v1(3880,2460) 3882.61,2462.61 3882.61,2474.82 3897.79,2490 3923.48,2490 C28.2@3928.48,2485 ; v1(3880,2525) 3882.61,2527.61 3896.94,2527.61 3941.38,2572.05 C26.2@3946.38,2572.05 ; C21.2@3930.67,2198.62 3922.28,2207.01 3922.28,2239.37 3905,2256.65 v1(3905,2260) 3907.61,2262.61 3916.49,2262.61 3952.76,2298.87 C9.2 ; v1(4901.51,3752.5) 4901.51,3715.11 C10.2@4904.12,3712.5 ; C10.2 4931.51,3714.02 v1(4931.51,3752.5) ; R10.1 v1(5071.51,3297.5) ; v1(5865,2935) 5868.69,2935 5882.58,2948.89 C14.2 ; v1(5865,3031.73) 5911.24,3031.73 C16.2
  Bottom Layer w30: C22.2 3553.62,2207.95 C25.2@3553.62,2288.22 ; C23.2@3567.72,2586.38 3567.95,2586.38 C27.2@3648.22,2586.38 ; C24.2@3852.79,2198.62 C21.2@3930.67,2198.62 ; C28.2@3946.38,2492.9 C26.2@3946.38,2572.05
  other v1: 1515,2021.62 1558.31,2021.62 1601.61,2021.62 1515,2064.93 1558.31,2064.93 1601.61,2064.93 1515,2108.24 1558.31,2108.24 1601.61,2108.24 5670,2870 5670,3025
HOME_SENSE: HOMING_SENS.3 R17.2 STM32.30 | length 416.9
  Top Layer w10: STM32.30@3645,2635 3645,2582.46 3699.85,2527.61 3707.39,2527.61 v1(3710,2525) ; v1(4875,2661.19) 4950,2586.19 R17.2 5004.86,2514.52 5020.34,2530 HOMING_SENS.3
I2C_SCL: IMU.3 J1.3 J2.3 J3.3 J4.3 J5.3 J6.3 J7.3 J8.3 R2.1 STM32.40 | length 13842.5
  Top Layer w10: v1(3140,2225) 3140,2270 v1(3215,2345) 3275,2285 ; R2.1 3275,2264.63 3275,2285 ; STM32.40 3505.25,2400.25 3505,2400 3390,2400 3275,2285
  Bottom Layer w10: v1(3140,2225) 3140,2058.8 3577.54,1621.26 4141.26,1621.26 J3.3 4527.52,1235 4685,1235 4810,1360 4985,1360 J7.3 ; v1(3215,2345) 2372.48,2345 J6.3 1250,3467.48 1250,3820 1385,3955 1385,4113.74 IMU.3 1876.26,4765 4595,4765 4720,4640 4843.74,4640 J4.3 4968.74,4765 5890,4765 6020,4635 6171.26,4635 J8.3 6291.26,4755 6530,4755 6745,4540 6745,4407.48 J2.3 6630,4292.48 6630,4129.41 6770,3989.41 6770,3850 J1.3 6635,3715 6635,3545.63 6765,3415.63 6765,3266.26 J5.3
I2C_SDA: IMU.4 J1.4 J2.4 J3.4 J4.4 J5.4 J6.4 J7.4 J8.4 R3.1 STM32.41 | length 14035.2
  Top Layer w10: R3.1 3355,2265.43 R3.1@3360.37,2270.81 ; v1(3355,2315) 3355,2276.18 R3.1@3360.37,2270.81 ; STM32.41 3492.57,2380.56 3388.19,2276.18 3365.75,2276.18 R3.1@3360.37,2270.81 ; J2.4 6690.61,4430.61 6779.39,4430.61 v1(6780,4430)
  Bottom Layer w10: v1(3355,2315) 3353.19,2313.19 3238.19,2313.19 ; J7.4 5043.74,1380 4801.72,1380 4676.72,1255 4586.26,1255 4546.26,1295 4540,1295 4536.26,1298.74 J3.4 4023.25,1818.01 3409.08,1818.01 3232.33,1994.75 3232.33,2307.33 3238.19,2313.19 ; J2.4 6610,4351.22 6610,4115 6750,3975 6750,3908.74 J1.4 6615,3773.74 6615,3537.35 6745,3407.35 6745,3325 J5.4 ; v1(6780,4430) 6780,4533.28 6538.28,4775 6232.52,4775 6162.52,4705 6160,4705 6152.52,4697.52 J8.4 6062.52,4785 4910,4785 J4.4 4730,4785 1655,4785 1250,4380 1250,4170 IMU.4 1365,4055 1365,3963.28 1230,3828.28 1230,3408.74 J6.4 2325.55,2313.19 3238.19,2313.19
IMU: IMU.5 STM32.34 | length 2847.4
  Top Layer w10: IMU.5 2820.12,2521.14 3503.12,2521.14 3505,2519.26 3522.72,2519.26 STM32.34
M_LFT_1: STM32.14 U5.21 | length 2734
  Top Layer w10: STM32.14 3976.38,2498.4 3975.75,2497.77 4190.92,2499.96 4195,2500 4510,2815 v1(5263.81,2815) ; U5.21 6019.26,3012.18 6082.08,3075 v1(6125,3075)
  Bottom Layer w10: v1(5263.81,2815) 5266.42,2817.61 5266.42,2826.42 5625,3185 6095,3185 6125,3155 v1(6125,3075)
M_LFT_2: STM32.11 U5.22 | length 2838.5
  Top Layer w10: STM32.11 4456.99,2439.62 4772.37,2755 v1(5255,2755) ; U5.22 6022.22,3037.77 6077.04,3092.58 6097.58,3092.58 v1(6155,3150)
  Bottom Layer w10: v1(5255,2755) 5235,2775 5235,2827.37 5608.63,3201 6101.63,3201 6152.63,3150 v1(6155,3150)
M_LFT_PWM: STM32.13 U5.23 | length 2546.2
  Top Layer w10: STM32.13 4378.99,2478.99 4685,2785 v1(5300,2785) ; U5.23 6013.36,3063.36 v1(6085,3135)
  Bottom Layer w10: v1(5300,2785) 5589.54,3074.54 6024.54,3074.54 v1(6085,3135)
M_RGT_1: STM32.58 U5.17 | length 3328
  Top Layer w10: STM32.58 3779.53,2100.22 3879.75,2000 5245,2000 v1(5270,1975) ; U5.17 6017.27,2909.81 6057.08,2870 v1(6195,2870)
  Bottom Layer w10: v1(5270,1975) 5475,1975 6252.81,2752.81 6252.81,2834.45 6236.34,2850.92 6214.08,2850.92 v1(6195,2870)
M_RGT_2: STM32.59 U5.16 | length 3206.3
  Top Layer w10: STM32.59 3799.21,2103.16 3882.37,2020 v1(5300,2020) ; U5.16 5949.01,2884 6020.46,2884 6079.46,2825 v1(6230,2825)
  Bottom Layer w10: v1(5300,2020) 5495,2020 6230,2755 v1(6230,2825)
M_RGT_PWM: STM32.60 U5.15 | length 3068.2
  Top Layer w10: STM32.60 3817.99,2163.12 3817.99,2145.4 3817.68,2145.09 3817.68,2107.32 3885,2040 5245,2040 v1(5270,2065) ; U5.15 6023.2,2858.63 6101.83,2780 v1(6195,2780)
  Bottom Layer w10: v1(5270,2065) 5515,2065 6192.39,2742.39 6192.39,2777.39 v1(6195,2780)
ML_A01: LEFT_MOTOR.1 U5.1 U5.2 | length 1681
  Top Layer w10: U5.1 U5.1@5672.26,3090
  Top Layer w40: LEFT_MOTOR.1@5630,4714.92 5630,3117.48 5671.21,3076.27 5695,3076.27
ML_A02: LEFT_MOTOR.2 U5.5 U5.6 | length 1843.9
  Top Layer w40: LEFT_MOTOR.2 5551.18,3043.11 5619.29,2975 5695,2975
MOTOR_EN: R20.2 STM32.2 U5.19 | length 2848.9
  Top Layer w10: STM32.2 3977.6,2261.23 4006.21,2261.23 4026.79,2281.81 5246.81,2281.81 v1(5270,2305) ; U5.19 6059.48,2960.99 6088.5,2931.97 R20.2 6101.22,2942.72 6101.22,2967.53 6110,2976.31 v1(6110,2980)
  Bottom Layer w10: v1(5270,2305) 5500,2535 5500,2830 5668.19,2998.19 5976.81,2998.19 6015,2960 6086.31,2960 6106.31,2980 v1(6110,2980)
MR_B01: RIGHT_MOTOR.1 U5.11 U5.12 | length 1614.7
  Top Layer w40: RIGHT_MOTOR.1 5536.26,2685.05 5671.21,2820 5695,2820
MR_B02: RIGHT_MOTOR.2 U5.7 U5.8 | length 1784.3
  Top Layer w40: RIGHT_MOTOR.2 5750,1420 5750,2890.71 5718.1,2922.61 5717.23,2922.61 5717.11,2922.73 5673.48,2922.73 5672.3,2923.91 ; 5640,2925 5671.21,2925
NetC1_1: C1.1 Q1.1 Q1.2 Q1.3 R5.2 VR1.2 | length 249.1
  Top Layer w10: VR1.2 6478.26,1596.74 VR1.2@6485,1590 ; C1.1@6560,1692.76 C1.1
  Top Layer w90: Q1.1@6410,1562.79 6410,1630 ; VR1.2@6490,1570 6490,1670 6495,1675 6545,1675
NetC1_2: C1.2 Q1.4 R4.2 R5.1 | length 270.1
  Top Layer w10: R4.2 6388.46,1712.79 6396.26,1705 Q1.4 6418.28,1705 6452.06,1738.78 6472.28,1738.78 R5.1 ; R5.1@6486.75,1746.5 6488.25,1745 C1.2
NetC8_1: C8.1 U2.6 | length 81.9
  Top Layer w10: C8.1 C8.1@4991.7,3408.69 ; U2.6@4991.7,3337.53 U2.6
  Top Layer w30: U2.6@4991.7,3337.53 C8.1@4991.7,3408.69
NetC8_2: C8.2 L2.1 U2.5 | length 197.2
  Top Layer w10: U2.5 U2.5@5034.02,3334.82 ; C8.2@5034.02,3411.39 C8.2
  Top Layer w30: U2.5@5034.02,3338.4 C8.2@5034.02,3411.39 ; C8.2 5035.37,3412.74 5035.37,3530.02 L2.1
NetC9_1: C9.1 R14.1 STM32.7 | length 240.2
  Top Layer w10: STM32.7 3977.6,2359.66 4000.34,2359.66 v1(4050,2310)
  Bottom Layer w10: R14.1 4000,2380.48 C9.1 4008.18,2310 v1(4050,2310)
NetD2_1: D2.1 R15.2 | length 107.7
  Top Layer w10: R15.2 2959.13,4245 D2.1
NetD3_1: D3.1 R16.2 | length 110.6
  Top Layer w10: R16.2 D3.1@2969.13,4030
NetD4_2: D4.2 FLY_MOTOR.2 Q3.3 | length 419.3
  Top Layer w30: Q3.3 6444.64,2445 6475.87,2476.23 D4.2
  Top Layer w50: D4.2 6513.86,2467.37 6542.99,2467.37 6614.76,2395.6 6714.4,2395.6 FLY_MOTOR.2
NetL1_1: L1.1 U3.3 | length 174.4
  Top Layer w10: U3.3@4763.91,3360.14 U3.3
  Top Layer w30: L1.1@4764.03,3187.5 U3.3@4764.03,3357.7
NetP1_1: P1.1 VR1.1 | length 115.8
  Top Layer w70: VR1.1@6612.75,1605.63 P1.1
NetP1_2: P1.2 P2.1 | length 176.3
  Top Layer w60: P1.2 P2.1
NetQ3_1: Q3.1 R18.1 R19.1 | length 164.4
  Top Layer w10: R18.1 6086.05,2479.52 R19.1
  Top Layer w30: R19.1 6172.19,2481.65 6247.01,2481.65 Q3.1
NetR4_1: R4.1 SW1.2 SW1.5 | length 801.7
  Top Layer w10: SW1.5 6295,1210 ; R4.1@6319.57,1785 6295,1760.43 6295,1210 ; SW1.2 6295,1210
NetR7_1: R7.1 U2.2 | length 104.1
  Top Layer w10: R7.1 5010.01,3154.47 5032.92,3177.37 U2.2
NetR8_1: R8.1 U3.1 | length 244.9
  Top Layer w10: v1(4661.51,3312.5) 4664.12,3315.11 4664.12,3329.52 4689.11,3354.51 U3.1
  Bottom Layer w10: v1(4661.51,3312.5) 4700.71,3351.7 4755.23,3351.7 4804.54,3401 R8.1
NetR9_1: R9.1 U3.5 | length 126.5
  Top Layer w10: v1(4721.51,3532.5) 4721.51,3528.81 4725.28,3525.04 4725.28,3471.88 U3.5
  Bottom Layer w10: v1(4721.51,3532.5) 4721.51,3528.81 4725.28,3525.04 4725.28,3473.24 R9.1
NetR10_2: R10.2 R12.1 U2.1 | length 166
  Top Layer w10: v1(4956.51,3252.5) 4960.2,3252.5 4965.2,3247.5 4995.15,3247.5 U2.1
  Bottom Layer w10: v1(4956.51,3252.5) 4956.51,3295.96 R10.2 4958.04,3374.47 R12.1
NetR11_2: R11.2 R13.2 U3.6 | length 245.4
  Top Layer w10: v1(4656.51,3532.5) 4659.12,3529.89 4659.12,3510.48 U3.6@4686.51,3483.09 ; R11.2 4689.11,3588.41 U3.6@4689.11,3483.09
  Bottom Layer w10: R13.2 4636.51,3512.5 v1(4656.51,3532.5)
PUSHER_PWM: J13.3 STM32.17 | length 2220.8
  Top Layer w10: STM32.17@3900,2605 3900,3527.13 3875,3552.13 3875,4474.25 J13.3
Stepper1: STEPPER.1 STM32.24 | length 2135.8
  Top Layer w10: STM32.24@3759.84,2600.7 3759.84,2655.4 3823.74,2719.3 STEPPER.1
Stepper2: STEPPER.2 STM32.25 | length 2115.9
  Top Layer w10: STM32.25@3740.16,2600.25 3740.16,4690.16 3750,4700 3745,4705 STEPPER.2
Stepper3: STEPPER.3 STM32.26 | length 2132.4
  Top Layer w10: STEPPER.3 3720,4656.26 3720,2670 3720.4,2669.6 STM32.26@3720.4,2600
Stepper4: STEPPER.4 STM32.33 | length 2190.4
  Top Layer w10: STM32.33@3538.19,2540 3538.19,4660.67 STEPPER.4
STM_TO_ESP: ESP32.11 STM32.57 | length 2312.7
  Top Layer w10: ESP32.11 1727.6,2359.81 2062.41,2025 v1(3395,2025) ; STM32.57 3760,2163.87 3760,2078.69 3770,2068.69 v1(3770,2065)
  Bottom Layer w10: v1(3395,2025) 3435,2065 v1(3770,2065)
SWCLK: ST_LINK.3 STM32.50 | length 1551
  Top Layer w10: ST_LINK.3 2877.64,1712.64 3196.06,1712.64 3619.27,2135.85 3619.27,2144.27 3621.14,2146.14 3621.14,2163.12 STM32.50
SWDIO: ST_LINK.2 STM32.49 | length 1605.6
  Top Layer w10: ST_LINK.2 2814.9,1728.64 3184.69,1728.64 3601.46,2145.4 3601.46,2163.12 STM32.49
TOF_B: J6.5 STM32.38 | length 2556.4
  Top Layer w10: J6.5 2120,2440 3505,2440 3505.38,2439.62 STM32.38
TOF_FL: J1.5 STM32.9 | length 3435.5
  Top Layer w10: STM32.9 4462.87,2400.25 4778.63,2716 4983.7,2716 4999.7,2700 v1(5180,2700)
  Bottom Layer w10: v1(5180,2700) 5180,2817.63 6294.85,3932.48 J1.5
TOF_FR: J5.5 STM32.8 | length 3254.4
  Top Layer w10: STM32.8 4465.82,2380.56 4785.25,2700 4977.08,2700 5002.08,2675 v1(5230,2675)
  Bottom Layer w10: v1(5230,2675) 5230,2746.84 5215,2761.84 5215,2830 5738.74,3353.74 J5.5
TOF_LB: J4.5 STM32.23 | length 2650.6
  Top Layer w10: STM32.23 3780.43,2615.88 3780.43,2581.88 3800.15,2562.16 3910.73,2562.16 4321.68,2973.11 4321.68,4275.42 J4.5
TOF_LF: J8.5 STM32.22 | length 4048.5
  Top Layer w10: STM32.22 3799.21,2585.73 3806.78,2578.16 3904.1,2578.16 4305,2979.06 4305,4365 4696.57,4756.57 6012.21,4756.57 J8.5
TOF_RB: J3.5 STM32.52 | length 1350.6
  Top Layer w10: STM32.52 3662.32,2163.12 3662.32,2145.4 3663.68,2144.04 3663.68,2091.43 4030.37,1724.74 4195.26,1724.74 J3.5
TOF_RF: J7.5 STM32.53 | length 1898.4
  Top Layer w10: STM32.53@3679.68,2150 3679.88,2150 3679.88,2097.86 4037,1740.74 4761.74,1740.74 J7.5
TOF_T: J2.5 STM32.10 | length 3719.4
  Top Layer w10: STM32.10 4459.93,2419.93 4775,2735 5116.31,2735 5126.31,2725 v1(5130,2725)
  Bottom Layer w10: v1(5130,2725) 5130,2795 6530,4195 6530,4349.96 J2.5
TRIGGER: R18.2 STM32.12 | length 2705
  Top Layer w10: STM32.12 4414.3,2459.3 v1(4435,2480) ; v1(6085,2360) R18.2
  Bottom Layer w10: v1(4435,2480) 4435,2300 4835,1900 5625,1900 v1(6085,2360)
pads on no net: ESP32.3 ESP32.4 ESP32.5 ESP32.6 ESP32.7 ESP32.10 ESP32.13 ESP32.14 ESP32.15 ESP32.16 ESP32.17 ESP32.18 STM32.1 STM32.3 STM32.4 STM32.5 STM32.6 STM32.18 STM32.19 STM32.20 STM32.21 STM32.28 STM32.35 STM32.36 STM32.37 STM32.39 STM32.42 STM32.43 STM32.44 STM32.45 STM32.46 STM32.51 STM32.54 STM32.55 STM32.61 SW1.1 SW1.4
copper on no net: | length 316.4
  Top Layer w10: 3770,2260 3801.18,2228.82 3831.78,2228.82 3858.27,2202.33 3858.27,2164.03
  Top Layer w60: 5090,3069.02 5090,3235

## Polygon pours and split planes (outlines as drawn)
+5V on Bottom Layer "+5V_L04_P011" (solid, pour order 11): 3880,4350 3880,4175 4185,4175 4185,4350
+5V on Bottom Layer "+5V_L04_P008" (solid, pour order 8): 5025,3665 5025,3405 4885,3405 4885,3435 4765,3435 4765,3665
+5V on Top Layer "+5V_L01_P009" (solid, pour order 9): 4750,3420 4805,3420 4805,3445 4915,3445 4975,3445 4975,3600 4750,3600
+BATT on Top Layer "+BATT_L01_P007" (solid, pour order 7): 5055,3270 5235,3270 5235,3035 5010,3035 5010,3110 5055,3110
+BATT on Top Layer "+BATT_L01_P006" (solid, pour order 6): 6275,1800 6275,1445 5975,1445 5975,1800
+BATT on Top Layer "+BATT_L01_P005" (solid, pour order 5): 6780,2355 6400,2355 6400,1930 6595,1930 6595,2160 6780,2160
+3.3V on PWR (split plane): 6979.9,2725.09 6345.09,2725.09 6345.09,3440 6344.74,3445.23 6343.72,3450.38 6342.03,3455.34 6339.72,3460.04 6336.8,3464.4 6333.34,3468.34 6329.4,3471.8 6325.04,3474.72 6320.34,3477.03 6315.38,3478.72 6310.23,3479.74 6305,3480.09 4960,3480.09 4954.77,3479.74 4949.62,3478.72 4944.66,3477.03 4939.96,3474.72 4935.6,3471.8 4931.66,3468.34 4928.2,3464.4 4925.28,3460.04 4922.97,3455.34 4921.28,3450.38 4920.26,3445.23 4919.91,3440 4919.91,2890 4920.26,2884.77 4921.28,2879.62 4922.97,2874.66 4925.28,2869.96 4928.2,2865.6 4931.66,2861.66 4935.6,2858.2 4939.96,2855.28 4944.66,2852.97 4949.62,2851.28 4954.77,2850.26 4960,2849.91 5329.91,2849.91 5329.91,2520 5329.91,1020.1 1020.1,1020.1 1020.1,4979.9 2540.24,4979.9 2539.91,4975 2539.91,4135 2540.26,4129.77 2541.28,4124.62 2542.97,4119.66 2545.28,4114.96 2548.2,4110.6 2551.66,4106.66 2555.6,4103.2 2559.96,4100.28 2564.66,4097.97 2569.62,4096.28 2574.77,4095.26 2580,4094.91 4490,4094.91 4495.23,4095.26 4500.38,4096.28 4505.34,4097.97 4510.04,4100.28 4514.4,4103.2 4518.34,4106.66 4521.8,4110.6 4524.72,4114.96 4527.03,4119.66 4528.72,4124.62 4529.74,4129.77 4530.09,4135 4530.09,4979.9 6979.9,4979.9
+BATT on PWR (split plane): 6264.91,2685 6265.26,2679.77 6266.28,2674.62 6267.97,2669.66 6270.28,2664.96 6273.2,2660.6 6276.66,2656.66 6280.6,2653.2 6284.96,2650.28 6289.66,2647.97 6294.62,2646.28 6299.77,2645.26 6305,2644.91 6979.9,2644.91 6979.9,1020.1 5410.09,1020.1 5410.09,2520 5410.09,2890 5409.74,2895.23 5408.72,2900.38 5407.03,2905.34 5404.72,2910.04 5401.8,2914.4 5398.34,2918.34 5394.4,2921.8 5390.04,2924.72 5385.34,2927.03 5380.38,2928.72 5375.23,2929.74 5370,2930.09 5000.09,2930.09 5000.09,3399.91 6264.91,3399.91
+5V on PWR (split plane): 4449.91,4175.09 2620.09,4175.09 2620.09,4975 2619.76,4979.9 4449.91,4979.9
GND on GND (split plane): 6979.9,1020.1 1020.1,1020.1 1020.1,4979.9 6979.9,4979.9

## Other copper
PWR (plane layer: these items are gaps in the copper):
  lines w80: 2580,4975 2580,4135 4490,4135 4490,4980 ; 5370,1020 5370,2520 5370,2890 4960,2890 4960,3440 6305,3440 6305,2685 6985,2685